# KiCad board controller.kicad_pcb
title: ORCA Control Board; date: 2022-03-16; rev: V1.2; company: Luke Waller
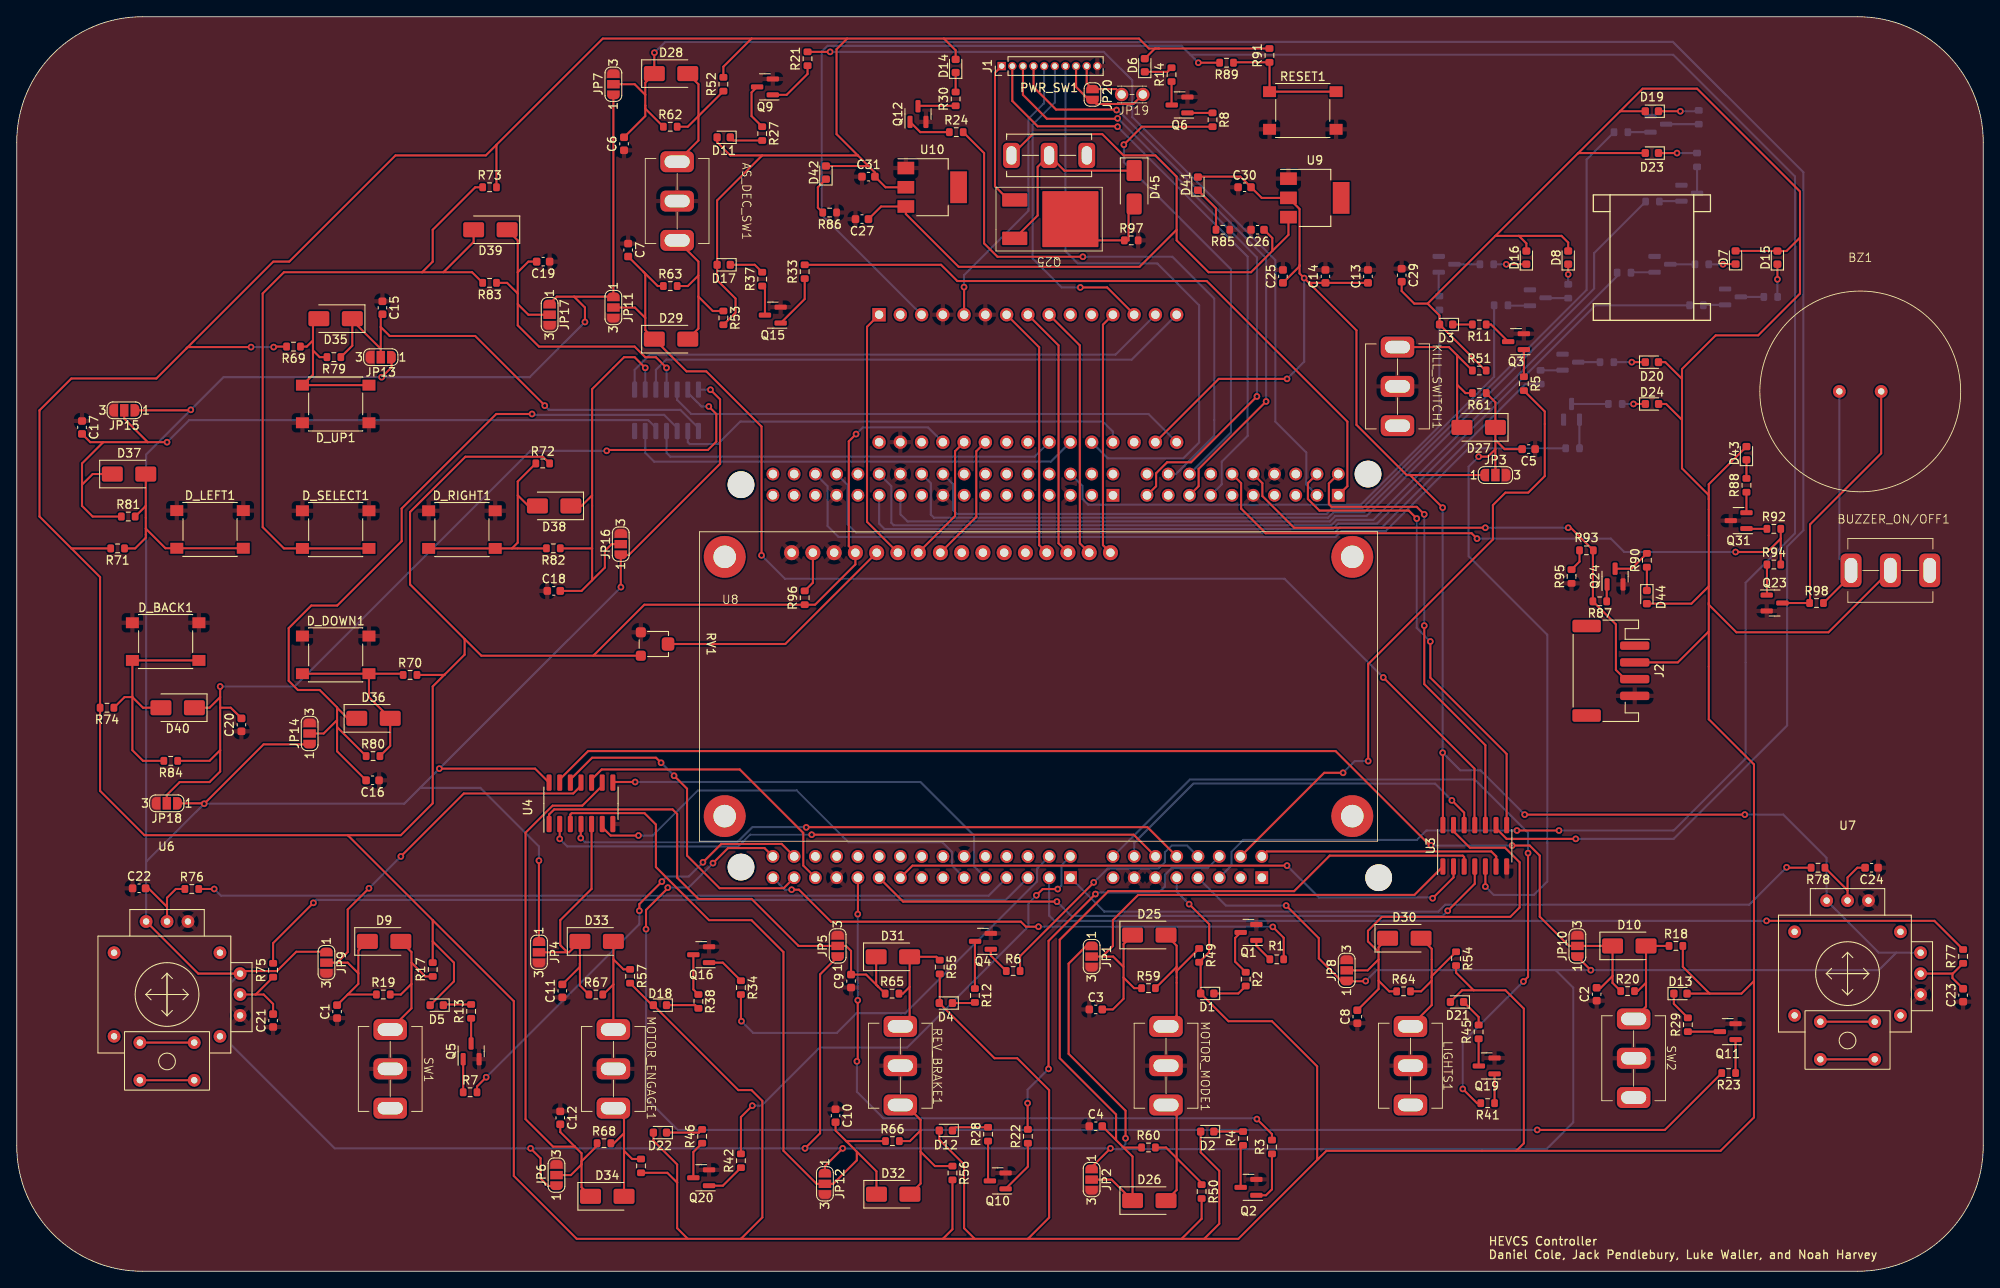
[diagram p0: board, top side]
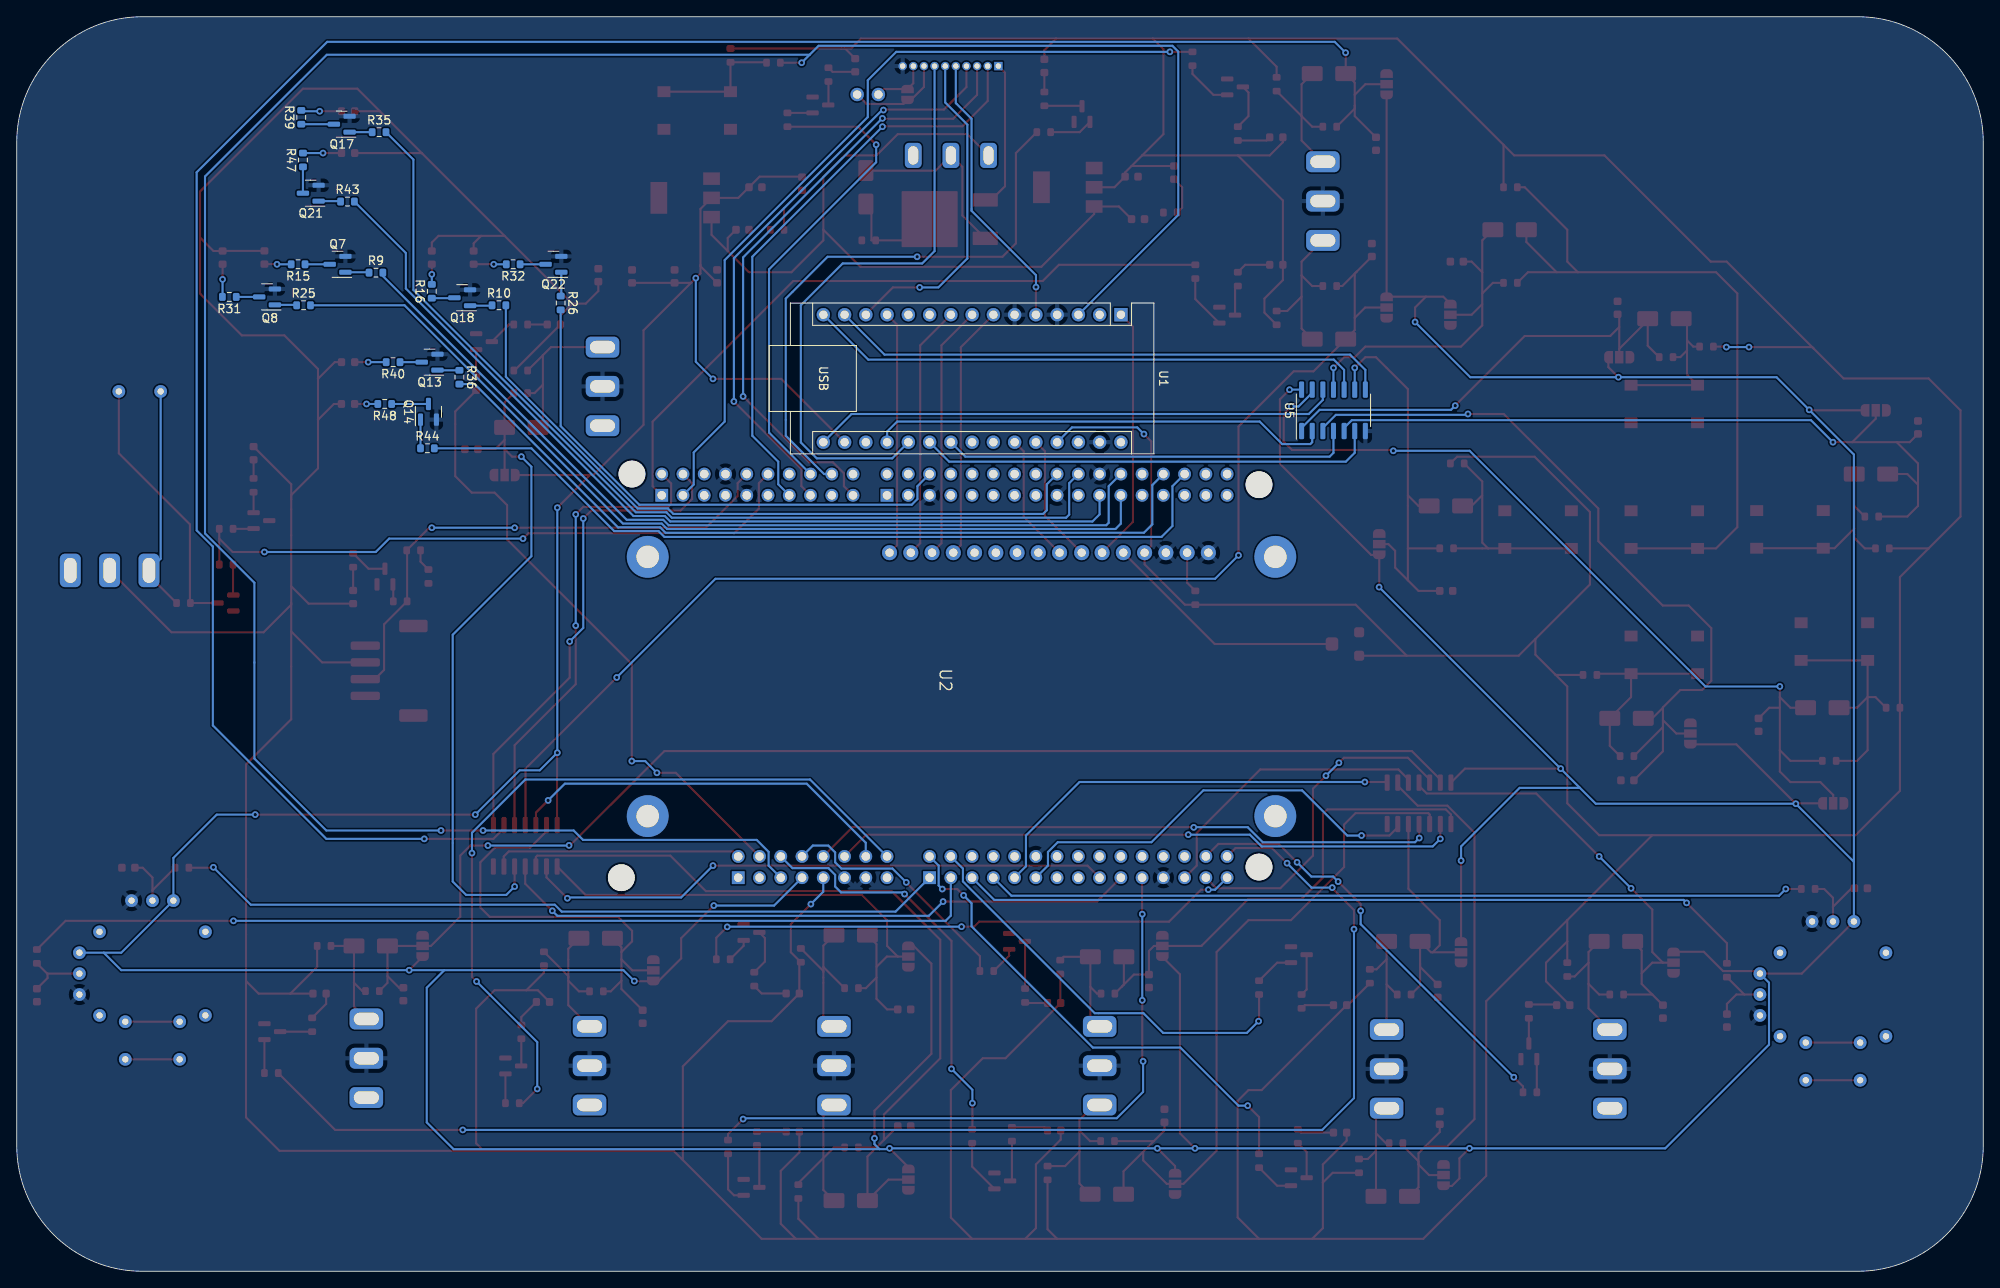
[diagram p1: board, bottom side, seen from below]

Outline 235 x 150 mm; copper layers: Top, Bottom. Coordinates in mm from the lower left corner of the outline.
Outline path: 0,135 arc(4.39,145.61) 15,150 220,150 arc(230.61,145.61) 235,135 235,15 arc(230.61,4.39) 220,0 15,0 arc(4.39,4.39) 0,15 0,135
Stack: Top 0.035mm / dielectric 1.51mm FR4 er 4.5 / Bottom 0.035mm

## Placement (name value [footprint] x y rotation side)
AS_DEC_SW1  SW_SPDT_MSM  [1Ms1T1B1M1QE]  78.92 127.96 270 top
BUZZER_ON/OFF1  SW_SPDT  [1Ms1T1B1M1QE]  223.9 83.8 0 top
BZ1  Buzzer  [SD1209T5-A1]  220.3 105.2 0 top
C1  100nF  [C_0603_1608Metric]  38.28 31.04 90 top
C2  100nF  [C_0603_1608Metric]  188.8 33.12 90 top
C3  100nF  [C_0603_1608Metric]  128.94 31.31 0 top
C4  100nF  [C_0603_1608Metric]  128.94 17.34 0 top
C5  100nF  [C_0603_1608Metric]  180.68 98.3 180 top
C6  100nF  [C_0603_1608Metric]  72.57 134.81 90 top
C7  100nF  [C_0603_1608Metric]  73.06 122.1 270 top
C8  100nF  [C_0603_1608Metric]  160.2 30.44 90 top
C9  100nF  [C_0603_1608Metric]  99.7 34.7 90 top
C10  100nF  [C_0603_1608Metric]  97.85 18.6 270 top
C11  100nF  [C_0603_1608Metric]  65.2 33.53 90 top
C12  100nF  [C_0603_1608Metric]  64.95 18.34 270 top
C13  100nF  [C_0603_1608Metric]  161.47 118.95 90 top
C14  100nF  [C_0603_1608Metric]  156.39 118.95 90 top
C15  100nF  [C_0603_1608Metric]  43.7 115.2 270 top
C16  100nF  [C_0603_1608Metric]  42.53 58.7 180 top
C17  100nF  [C_0603_1608Metric]  7.8 100.89 270 top
C18  100nF  [C_0603_1608Metric]  64.17 81.35 0 top
C19  100nF  [C_0603_1608Metric]  62.91 120.72 180 top
C20  100nF  [C_0603_1608Metric]  26.85 65.33 90 top
C21  100nF  [C_0603_1608Metric]  30.63 29.97 90 top
C22  100nF  [C_0603_1608Metric]  14.62 45.79 0 top
C23  100nF  [C_0603_1608Metric]  232.59 33.01 90 top
C24  100nF  [C_0603_1608Metric]  221.66 48.25 180 top
C25  100nF  [C_0603_1608Metric]  151.31 118.95 90 top
C26  100nF  [C_0603_1608Metric]  148.28 124.53 180 top
C27  100nF  [C_0603_1608Metric]  101 125.8 180 top
C29  100nF  [C_0603_1608Metric]  165.5 119.1 270 top
C30  100nF  [C_0603_1608Metric]  146.72 129.61 0 top
C31  100nF  [C_0603_1608Metric]  101.78 130.88 0 top
D1  BLUE  [LED_0603_1608Metric]  142.27 33.22 180 top
D2  GREEN  [LED_0603_1608Metric]  142.27 16.71 180 top
D3  RED  [LED_0603_1608Metric]  170.81 113.2 180 top
D4  RED  [LED_0603_1608Metric]  111.03 32.07 180 top
D5  WHITE  [LED_0603_1608Metric]  50.19 31.82 180 top
D6  GREEN  [LED_0603_1608Metric]  134.8 144.2 90 top
D7  RED  [LED_0603_1608Metric]  205.4 121.21 90 top
D8  RED  [LED_0603_1608Metric]  185.4 121.2 90 top
D9  D  [D_SMA]  43.9 39.44 0 top
D10  D  [D_SMA]  192.7 38.9 0 top
D11  BLUE  [LED_0603_1608Metric]  84.48 135.58 180 top
D12  WHITE  [LED_0603_1608Metric]  111.03 16.83 180 top
D13  WHITE  [LED_0603_1608Metric]  198.81 33.2 0 top
D14  RED  [LED_0603_1608Metric]  112.2 144.11 90 top
D15  RED  [LED_0603_1608Metric]  210.4 121.2 90 top
D16  RED  [LED_0603_1608Metric]  180.4 121.2 90 top
D17  RED  [LED_0603_1608Metric]  84.48 120.34 180 top
D18  GREEN  [LED_0603_1608Metric]  76.86 31.82 180 top
D19  RED  [LED_0603_1608Metric]  195.4 138.7 180 top
D20  RED  [LED_0603_1608Metric]  195.4 108.7 0 top
D21  BLUE  [LED_0603_1608Metric]  172.11 32.2 180 top
D22  RED  [LED_0603_1608Metric]  76.86 16.58 180 top
D23  RED  [LED_0603_1608Metric]  195.4 133.7 180 top
D24  RED  [LED_0603_1608Metric]  195.41 103.7 0 top
D25  D  [D_SMA]  135.34 40.2 0 top
D26  D  [D_SMA]  135.34 8.45 0 top
D27  D  [D_SMA]  174.7 100.9 180 top
D28  D  [D_SMA]  78.19 143.2 0 top
D29  D  [D_SMA]  78.19 111.45 0 top
D30  D  [D_SMA]  165.82 39.82 0 top
D31  D  [D_SMA]  104.7 37.6 0 top
D32  D  [D_SMA]  104.74 9.21 0 top
D33  D  [D_SMA]  69.3 39.44 0 top
D34  D  [D_SMA]  70.57 8.96 0 top
D35  D  [D_SMA]  38.1 113.9 180 top
D36  D  [D_SMA]  42.63 66.11 0 top
D37  D  [D_SMA]  13.42 95.32 0 top
D38  D  [D_SMA]  64.22 91.51 180 top
D39  D  [D_SMA]  56.6 124.53 180 top
D40  D  [D_SMA]  19.23 67.38 180 top
D41  YELLOW  [LED_0603_1608Metric]  141.15 130.04 90 top
D42  BLUE  [LED_0603_1608Metric]  96.7 131.36 90 top
D43  GREEN  [LED_0603_1608Metric]  206.7 97.81 90 top
D44  BLUE  [LED_0603_1608Metric]  194.8 80.61 270 top
D45  D  [D_SMA]  133.53 129.61 270 top
D_BACK1  SW_SPST  [SW_Push_1P1T_NO_6x6mm_H9.5mm]  17.8 75.29 0 top
D_DOWN1  SW_SPST  [SW_Push_1P1T_NO_6x6mm_H9.5mm]  38.12 73.7 0 top
D_LEFT1  SW_SPST  [SW_Push_1P1T_NO_6x6mm_H9.5mm]  23.1 88.7 0 top
D_RIGHT1  SW_SPST  [SW_Push_1P1T_NO_6x6mm_H9.5mm]  53.2 88.68 0 top
D_SELECT1  SW_SPST  [SW_Push_1P1T_NO_6x6mm_H9.5mm]  38.12 88.68 0 top
D_UP1  SW_SPST  [SW_Push_1P1T_NO_6x6mm_H9.5mm]  38.12 103.7 180 top
J1  Conn_01x10  [PinHeader_1x10_P1.27mm_Vertical]  117.7 144.1 90 top
J2  Conn_01x04  [JST_PH_S4B-PH-SM4-TB_1x04-1MP_P2.00mm_Horizontal]  190.5 71.8 270 top
JP1  SolderJumper_3_Open  [SolderJumper-3_P1.3mm_Open_RoundedPad1.0x1.5mm_NumberLabels]  128.45 37.63 270 top
JP2  SolderJumper_3_Open  [SolderJumper-3_P1.3mm_Open_RoundedPad1.0x1.5mm_NumberLabels]  128.45 10.96 270 top
JP3  SolderJumper_3_Open  [SolderJumper-3_P1.3mm_Open_RoundedPad1.0x1.5mm_NumberLabels]  176.7 95.2 0 top
JP4  SolderJumper_3_Open  [SolderJumper-3_P1.3mm_Open_RoundedPad1.0x1.5mm_NumberLabels]  62.41 38.14 270 top
JP5  SolderJumper_3_Open  [SolderJumper-3_P1.3mm_Open_RoundedPad1.0x1.5mm_NumberLabels]  98.1 38.9 90 top
JP6  SolderJumper_3_Open  [SolderJumper-3_P1.3mm_Open_RoundedPad1.0x1.5mm_NumberLabels]  64.5 11.5 90 top
JP7  SolderJumper_3_Open  [SolderJumper-3_P1.3mm_Open_RoundedPad1.0x1.5mm_NumberLabels]  71.3 141.93 90 top
JP8  SolderJumper_3_Open  [SolderJumper-3_P1.3mm_Open_RoundedPad1.0x1.5mm_NumberLabels]  158.93 35.98 90 top
JP9  SolderJumper_3_Open  [SolderJumper-3_P1.3mm_Open_RoundedPad1.0x1.5mm_NumberLabels]  37.01 36.9 270 top
JP10  SolderJumper_3_Open  [SolderJumper-3_P1.3mm_Open_RoundedPad1.0x1.5mm_NumberLabels]  186.5 38.9 90 top
JP11  SolderJumper_3_Open  [SolderJumper-3_P1.3mm_Open_RoundedPad1.0x1.5mm_NumberLabels]  71.3 115.23 270 top
JP12  SolderJumper_3_Open  [SolderJumper-3_P1.3mm_Open_RoundedPad1.0x1.5mm_NumberLabels]  96.58 10.45 270 top
JP13  SolderJumper_3_Open  [SolderJumper-3_P1.3mm_Open_RoundedPad1.0x1.5mm_NumberLabels]  43.5 109.29 180 top
JP14  SolderJumper_3_Open  [SolderJumper-3_P1.3mm_Open_RoundedPad1.0x1.5mm_NumberLabels]  35 64.3 90 top
JP15  SolderJumper_3_Open  [SolderJumper-3_P1.3mm_Open_RoundedPad1.0x1.5mm_NumberLabels]  12.85 102.94 180 top
JP16  SolderJumper_3_Open  [SolderJumper-3_P1.3mm_Open_RoundedPad1.0x1.5mm_NumberLabels]  72.18 86.94 90 top
JP17  SolderJumper_3_Open  [SolderJumper-3_P1.3mm_Open_RoundedPad1.0x1.5mm_NumberLabels]  63.68 114.37 270 top
JP18  SolderJumper_3_Open  [SolderJumper-3_P1.3mm_Open_RoundedPad1.0x1.5mm_NumberLabels]  17.93 55.95 180 top
JP19  Jumper_2_Open  [Jumper]  132.03 140.7 0 top
JP20  SolderJumper_2_Open  [SolderJumper-2_P1.3mm_Open_RoundedPad1.0x1.5mm]  128.55 140.7 270 top
KILL_SWITCH1  SW_SPDT  [1Ms1T1B1M1QE]  165 105.8 270 top
LIGHTS1  SW_SPDT  [1Ms1T1B1M1QE]  166.55 24.58 270 top
MOTOR_ENGAGE1  SW_SPDT  [1Ms1T1B1M1QE]  71.3 24.2 270 top
MOTOR_MODE1  SW_SPDT  [1Ms1T1B1M1QE]  137.34 24.58 270 top
PWR_SW1  SW_SPDT  [KNX-1-D1]  123.37 133.42 0 top
Q1  BC817  [SOT-23]  147.2 40.52 180 top
Q2  BC817  [SOT-23]  147.2 10.03 180 top
Q3  BC817  [SOT-23]  179.16 111.15 180 top
Q4  BC817  [SOT-23]  115.46 39.45 180 top
Q5  BC817  [SOT-23]  54.3 26.3 90 top
Q6  BC817  [SOT-23]  138.96 139.45 180 top
Q7  BC817  [SOT-23]  196.66 120.4 0 bottom
Q8  BC817  [SOT-23]  205.09 116.5 0 bottom
Q9  BC817  [SOT-23]  89.41 141.61 180 top
Q10  BC817  [SOT-23]  117.23 10.8 180 top
Q11  BC817  [SOT-23]  204.46 28.65 180 top
Q12  BC817  [SOT-23]  107.7 138.36 90 top
Q13  BC817  [SOT-23]  185.66 108.7 0 bottom
Q14  BC817  [SOT-23]  185.8 102.76 90 bottom
Q15  BC817  [SOT-23]  90.35 114.32 180 top
Q16  BC817  [SOT-23]  81.79 37.85 180 top
Q17  BC817  [SOT-23]  196.16 137.15 0 bottom
Q18  BC817  [SOT-23]  181.76 116.4 0 bottom
Q19  BC817  [SOT-23]  175.66 24.55 180 top
Q20  BC817  [SOT-23]  81.79 11.18 180 top
Q21  BC817  [SOT-23]  199.86 128.9 0 bottom
Q22  BC817  [SOT-23]  170.86 120.4 0 bottom
Q23  BC817  [SOT-23]  210.06 79.9 0 top
Q24  BC817  [SOT-23]  191 83.06 90 top
Q25  IRFR9014PBF  [STD20NF06L]  125.91 125.8 180 top
Q31  BC817  [SOT-23]  205.76 89.75 180 top
R1  4K7  [R_0603_1608Metric]  150.57 37.3 0 top
R2  1K  [R_0603_1608Metric]  146.87 34.93 270 top
R3  4K7  [R_0603_1608Metric]  150 14.87 90 top
R4  2K2  [R_0603_1608Metric]  146.54 15.88 90 top
R5  4K7  [R_0603_1608Metric]  180.1 106.12 270 top
R6  4K7  [R_0603_1608Metric]  119.07 35.9 0 top
R7  4K7  [R_0603_1608Metric]  54.17 21.4 0 top
R8  4K7  [R_0603_1608Metric]  142.9 137.68 270 top
R9  4K7  [R_0603_1608Metric]  192.07 119.4 180 bottom
R10  4K7  [R_0603_1608Metric]  177.38 115.5 180 bottom
R11  150R  [R_0603_1608Metric]  174.78 113.2 180 top
R12  150R  [R_0603_1608Metric]  114.5 32.97 270 top
R13  390R  [R_0603_1608Metric]  54.3 31.07 90 top
R14  2K2  [R_0603_1608Metric]  138 143.07 90 top
R15  150R  [R_0603_1608Metric]  201.38 120.4 0 bottom
R16  150R  [R_0603_1608Metric]  185.4 117.17 90 bottom
R17  47K  [R_0603_1608Metric]  49.71 36.07 90 top
R18  47K  [R_0603_1608Metric]  198.28 38.9 0 top
R19  47K  [R_0603_1608Metric]  43.81 33.09 0 top
R20  47K  [R_0603_1608Metric]  192.5 33.5 0 top
R21  4K7  [R_0603_1608Metric]  94.5 144.97 90 top
R22  4K7  [R_0603_1608Metric]  120.83 16.13 90 top
R23  4K7  [R_0603_1608Metric]  204.57 23.7 180 top
R24  4K7  [R_0603_1608Metric]  112.28 136.2 0 top
R25  4K7  [R_0603_1608Metric]  200.72 115.5 180 bottom
R26  4K7  [R_0603_1608Metric]  170 115.78 270 bottom
R27  1K  [R_0603_1608Metric]  89.08 136.03 270 top
R28  390R  [R_0603_1608Metric]  116.07 16.39 90 top
R29  390R  [R_0603_1608Metric]  199.7 29.47 90 top
R30  150R  [R_0603_1608Metric]  112.2 140.18 90 top
R31  150R  [R_0603_1608Metric]  209.6 116.5 0 bottom
R32  150R  [R_0603_1608Metric]  175.68 120.4 0 bottom
R33  4K7  [R_0603_1608Metric]  94.16 119.52 90 top
R34  4K7  [R_0603_1608Metric]  86.54 33.91 270 top
R35  4K7  [R_0603_1608Metric]  191.7 136.2 180 bottom
R36  4K7  [R_0603_1608Metric]  182.1 106.9 270 bottom
R37  150R  [R_0603_1608Metric]  89.08 118.62 90 top
R38  2K2  [R_0603_1608Metric]  81.46 32.26 270 top
R39  150R  [R_0603_1608Metric]  201 137.97 90 bottom
R40  150R  [R_0603_1608Metric]  190.03 108.7 0 bottom
R41  4K7  [R_0603_1608Metric]  175.78 20.1 180 top
R42  4K7  [R_0603_1608Metric]  86.54 13.22 90 top
R43  4K7  [R_0603_1608Metric]  195.47 127.9 180 bottom
R44  4K7  [R_0603_1608Metric]  185.93 98.4 180 bottom
R45  1K  [R_0603_1608Metric]  174.7 28.62 90 top
R46  150R  [R_0603_1608Metric]  81.91 16.13 90 top
R47  150R  [R_0603_1608Metric]  200.8 132.88 90 bottom
R48  150R  [R_0603_1608Metric]  191.03 103.7 0 bottom
R49  47K  [R_0603_1608Metric]  141.3 37.78 270 top
R50  47K  [R_0603_1608Metric]  141.59 9.53 270 top
R51  47K  [R_0603_1608Metric]  174.78 107.7 0 top
R52  47K  [R_0603_1608Metric]  84.44 141.93 90 top
R53  47K  [R_0603_1608Metric]  84.44 113.99 270 top
R54  47K  [R_0603_1608Metric]  172 37.38 270 top
R55  47K  [R_0603_1608Metric]  110.3 36.38 270 top
R56  47K  [R_0603_1608Metric]  111.82 11.75 270 top
R57  47K  [R_0603_1608Metric]  73.3 35.28 270 top
R58  47K  [R_0603_1608Metric]  74.6 12.6 270 top
R59  47K  [R_0603_1608Metric]  135.25 33.85 0 top
R60  47K  [R_0603_1608Metric]  135.25 14.8 0 top
R61  47K  [R_0603_1608Metric]  174.78 105 180 top
R62  47K  [R_0603_1608Metric]  78.09 136.85 0 top
R63  47K  [R_0603_1608Metric]  78.09 117.8 0 top
R64  47K  [R_0603_1608Metric]  165.72 33.47 0 top
R65  47K  [R_0603_1608Metric]  104.6 33.2 0 top
R66  47K  [R_0603_1608Metric]  104.64 15.56 0 top
R67  47K  [R_0603_1608Metric]  69.2 33.09 0 top
R68  47K  [R_0603_1608Metric]  70.17 15.31 0 top
R69  47K  [R_0603_1608Metric]  33.08 110.56 180 top
R70  47K  [R_0603_1608Metric]  47 71.3 0 top
R71  47K  [R_0603_1608Metric]  12.05 86.43 180 top
R72  47K  [R_0603_1608Metric]  62.86 96.59 0 top
R73  47K  [R_0603_1608Metric]  56.5 129.61 0 top
R74  47K  [R_0603_1608Metric]  10.78 67.38 180 top
R75  620R  [R_0603_1608Metric]  30.63 36 90 top
R76  620R  [R_0603_1608Metric]  20.92 45.71 0 top
R77  620R  [R_0603_1608Metric]  232.59 37.64 90 top
R78  620R  [R_0603_1608Metric]  215.25 48.25 180 top
R79  47K  [R_0603_1608Metric]  37.9 109.3 180 top
R80  47K  [R_0603_1608Metric]  42.58 61.6 0 top
R81  47K  [R_0603_1608Metric]  13.33 90.24 0 top
R82  47K  [R_0603_1608Metric]  64.12 86.44 180 top
R83  47K  [R_0603_1608Metric]  56.5 118.18 180 top
R84  47K  [R_0603_1608Metric]  18.41 61.03 180 top
R85  2K2  [R_0603_1608Metric]  144.13 124.53 180 top
R86  1K  [R_0603_1608Metric]  97.14 126.59 180 top
R87  4K7  [R_0603_1608Metric]  189.18 80.1 180 top
R88  2K2  [R_0603_1608Metric]  206.7 93.97 90 top
R89  2K2  [R_0603_1608Metric]  144.57 144.5 180 top
R90  1K  [R_0603_1608Metric]  194.8 85.01 270 top
R91  10K  [R_0603_1608Metric]  149.7 145.38 90 top
R92  4K7  [R_0603_1608Metric]  209.97 88.77 180 top
R93  1K  [R_0603_1608Metric]  187.57 86.2 180 top
R94  4K7  [R_0603_1608Metric]  209.97 84.5 0 top
R95  100K  [R_0603_1608Metric]  185.8 83.08 270 top
R96  220R  [R_0603_1608Metric]  94.16 80.53 90 top
R97  100R  [R_0603_1608Metric]  133.19 123.26 0 top
R98  10K  [R_0603_1608Metric]  215.07 79.9 0 top
RESET1  SW_SPST  [SW_Push_1P1T_NO_6x6mm_H9.5mm]  153.69 138.79 0 top
REV_BRAKE1  SW_SPDT  [1Ms1T1B1M1QE]  105.59 24.58 270 top
RV1  20K  [Variable_Resistor]  76.38 75 270 top
SW1  SW_SPDT  [1Ms1T1B1M1QE]  44.63 24.2 270 top
SW2  SW_SPDT  [1Ms1T1B1M1QE]  193.22 25.47 270 top
U1  NUCLEO-L432KC  [Arduino_Nano]  103.05 114.37 270 bottom
U2  NUCLEO144-F429ZI  [MODULE_NUCLEO-F429ZI_JUST_PINS]  124.01 71.19 90 bottom
U3  74HC14  [SO-14_3.9x8.65mm_P1.27mm]  174.24 50.87 90 top
U4  74HC14  [SO-14_3.9x8.65mm_P1.27mm]  67.42 55.95 90 top
U5  74HC14  [SO-14_3.9x8.65mm_P1.27mm]  77.65 102.94 90 bottom
U6  -  [Joystick]  17.96 33.09 0 top
U7  -  [Joystick]  218.78 35.59 0 top
U8  HY1602E  [LCD_Display_WH1602B-NYG-JT]  84.6 85.42 0 top
U9  ZSR330GTA  [SOT-223]  155.12 128.34 0 top
U10  ZLDO1117G50TA  [SOT-223]  109.4 129.61 0 top

## Library data of the parts
AS_DEC_SW1 = -: Description: Switch, single pole double throw, center OFF position
BUZZER_ON/OFF1 KILL_SWITCH1 LIGHTS1 MOTOR_ENGAGE1 MOTOR_MODE1 PWR_SW1 REV_BRAKE1 SW1 SW2 = -: Description: Switch, single pole double throw
BZ1 = -: Description: Buzzer, polarized
C1-C27 C29-C31 = -: Description: Unpolarized capacitor
D1-D8 D11-D24 D41-D44 = -: Description: Light emitting diode
D9 D10 D25-D40 D45 = -: Description: Diode
D_BACK1 D_DOWN1 D_LEFT1 D_RIGHT1 D_SELECT1 D_UP1 RESET1 = -: Description: Single Pole Single Throw (SPST) switch
J1 = -: Description: Generic connector, single row, 01x10, script generated (kicad-library-utils/schlib/autogen/connector/)
J2 = -: Description: Generic connector, single row, 01x04, script generated (kicad-library-utils/schlib/autogen/connector/)
JP1-JP18 = -: Description: Solder Jumper, 3-pole, open
JP19 = -: Description: Jumper, 2-pole, open
JP20 = -: Description: Solder Jumper, 2-pole, open
Q1-Q24 Q31 = -: Description: 0.8A Ic, 45V Vce, NPN Transistor, SOT-23
Q25 = -: Description: P-MOSFET transistor, drain/gate/source
R1-R98 = -: Description: Resistor
RV1 = -: Description: Potentiometer
U1 = -: Description: Arduino Nano v2.x
U2 = -: Description: Nucleo 144 Development Board with STM32F429ZIT6 MCU, 256kB RAM, 1Mb FLASH
U3-U5 = -: Description: Hex inverter schmitt trigger
U8 = -: Description: LCD 16x2 Alphanumeric 16pin Blue/Yellow/Green Backlight, 8bit parallel, 5V VDD
U9 U10 = -: Description: 800mA Low-Dropout Linear Regulator, 5.0V fixed output, TO-220/TO-252/TO-263/SOT-223

## Footprints (pads in the part's own frame, mm; a bottom-side part is the same pattern mirrored in y, then rotated)
1Ms1T1B1M1QE
  rrect 2.5x4 hole 1.5x3: 1(-4.7,0) 2(0,0) 3(4.7,0)
Arduino_Nano
  rect 1.6x1.6 hole 1: 1(0,0)
  oval 1.6x1.6 hole 1: 2(0,-2.54) 3(0,-5.08) 4(0,-7.62) 5(0,-10.16) 6(0,-12.7) 7(0,-15.24) 8(0,-17.78) 9(0,-20.32) 10(0,-22.86) 11(0,-25.4) 12(0,-27.94) 13(0,-30.48) 14(0,-33.02) 15(0,-35.56) 16(15.24,-35.56) 17(15.24,-33.02) 18(15.24,-30.48) 19(15.24,-27.94) 20(15.24,-25.4) 21(15.24,-22.86) 22(15.24,-20.32) 23(15.24,-17.78) 24(15.24,-15.24) 25(15.24,-12.7) 26(15.24,-10.16) 27(15.24,-7.62) 28(15.24,-5.08) 29(15.24,-2.54) 30(15.24,0)
C_0603_1608Metric
  rrect 0.9x0.95 smd: 1(-0.775,0) 2(0.775,0)
D_SMA
  rrect 2.5x1.8 smd: 1(-2,0) 2(2,0)
Joystick
  round 1.524 hole 0.762: Earth(-6.325,5) Earth(-6.325,-5) Earth(6.325,5) Earth(6.325,-5) SW1(-3.25,-5.75) SW1(3.25,-5.75) SW2(-3.25,-10.25) SW2(3.25,-10.25) X1(-2.5,8.73) X2(0,8.73) X3(2.5,8.73) Y1(8.73,2.5) Y2(8.73,0) Y3(8.73,-2.5)
JST_PH_S4B-PH-SM4-TB_1x04-1MP_P2.00mm_Horizontal
  rrect 1x3.5 smd: 1(-3,2.85) 2(-1,2.85) 3(1,2.85) 4(3,2.85)
  rrect 1.5x3.4 smd: MP(-5.35,-2.9) MP(5.35,-2.9)
Jumper
  round 1.6 hole 1: 1(0,0) 2(2.54,0)
KNX-1-D1
  rrect 2x3 hole 1.2x2.2: 1(-4.5,0) 2(0,0) 3(4.5,0)
LCD_Display_WH1602B-NYG-JT
  round 5 hole 2.7 unplated: (0,0) (0,-31) (75,0) (75,-31)
  round 1.8 hole 1: 1(8,0.5) 2(10.54,0.5) 3(13.08,0.5) 4(15.62,0.5) 5(18.16,0.5) 6(20.7,0.5) 7(23.14,0.5) 8(25.78,0.5) 9(28.32,0.5) 10(30.86,0.5) 11(33.4,0.5) 12(35.94,0.5) 13(38.48,0.5) 14(41.02,0.5) 15(43.56,0.5) 16(46.1,0.5)
LED_0603_1608Metric
  rrect 0.875x0.95 smd: 1(-0.787,0) 2(0.787,0)
MODULE_NUCLEO-F429ZI_JUST_PINS
  round 3.2 hole 3.2 unplated: (-24.13,38.74) (-22.86,-37.46) (22.86,-37.46) (24.13,37.47)
  round 1.53 hole 1.02: 1(-21.59,19.69) 2(-21.59,17.15) 3(-21.59,14.61) 4(-21.59,12.07) 8(-24.13,-26.03) 11(-21.59,-28.57) 12(-24.13,22.23) 14(-24.13,19.69) 16(-24.13,17.15) 17(21.59,23.754) 18(-24.13,14.61) 19(-24.13,12.07) 20(-24.13,9.53) 24(-24.13,6.99) 28(21.59,-28.57) 29(-24.13,-23.49) 31(-24.13,-20.95) 32(21.59,13.594) 34(21.59,-31.11) 35(21.59,-3.17) 37(-24.13,-3.17) 38(-24.13,-0.63) 39(-21.59,-5.71) 40(-21.59,-8.25) 41(-21.59,-3.17) 42(-21.59,9.53) 43(-21.59,-0.63) 44(-21.59,6.99) 45(-21.59,1.91) 46(-21.59,-13.33) 46(21.59,-23.49) 47(-21.59,-23.49) 48(-21.59,-15.87) 49(-21.59,-10.79) 50(-21.59,-18.41) 52(-24.13,-18.41) 54(-21.59,-26.03) 55(-24.13,-31.11) 56(-21.59,-31.11) 57(-24.13,-28.57) 58(-21.59,-33.65) 59(-24.13,-33.65) 60(24.13,26.294) 62(-21.59,-20.95) 63(24.13,-10.79) 73(-21.59,22.23) 74(-21.59,24.77) 75(24.13,33.914) 77(24.13,31.374) 79(24.13,28.834) 81(21.59,-26.03) 83(24.13,23.754) 85(24.13,21.214) 87(-24.13,-15.87) 87(24.13,18.674) 88(21.59,26.294) 89(21.59,-8.25) 90(24.13,-33.65) 91(21.59,21.214) 92(24.13,-18.41) 94(21.59,-10.79) 96(21.59,-0.63) 97(24.13,-31.11) 98(21.59,31.374) 99(21.59,11.054) 101(21.59,18.674) 102(21.59,28.834) 103(21.59,16.134) 104(21.59,4.45) 108(-24.13,-8.25) 110(21.59,-5.71) 111(21.59,1.91) 112(24.13,-13.33) 113(21.59,-15.87) 114(-24.13,-10.79) 115(21.59,-18.41) 116(24.13,-15.87) 117(21.59,-20.95) 118(24.13,16.134) 119(24.13,-20.95) 120(24.13,13.594) 121(24.13,-23.49) 122(24.13,-0.63) 123(24.13,-26.03) 124(24.13,4.45) 125(24.13,-28.57) 127(24.13,-3.17) 128(24.13,1.91) 129(24.13,6.99) 130(-24.13,-5.71) 131(24.13,11.054) 132(24.13,-5.71) 133(24.13,-8.25) 136(21.59,-33.65) 144(21.59,-13.33) NC(-24.13,-13.33)
  rect 1.53x1.53 hole 1.02: 76(21.59,33.914) 79(21.59,6.99) 109(-24.13,1.91) NC(-24.13,24.77)
PinHeader_1x10_P1.27mm_Vertical
  rect 1x1 hole 0.65: 1(0,0)
  oval 1x1 hole 0.65: 2(0,-1.27) 3(0,-2.54) 4(0,-3.81) 5(0,-5.08) 6(0,-6.35) 7(0,-7.62) 8(0,-8.89) 9(0,-10.16) 10(0,-11.43)
R_0603_1608Metric
  rrect 0.8x0.95 smd: 1(-0.825,0) 2(0.825,0)
SD1209T5-A1
  round 1.524 hole 0.762: 1(-2.5,0) 2(2.5,0)
SO-14_3.9x8.65mm_P1.27mm
  rrect 1.95x0.6 smd: 1(-2.475,3.81) 2(-2.475,2.54) 3(-2.475,1.27) 4(-2.475,0) 5(-2.475,-1.27) 6(-2.475,-2.54) 7(-2.475,-3.81) 8(2.475,-3.81) 9(2.475,-2.54) 10(2.475,-1.27) 11(2.475,0) 12(2.475,1.27) 13(2.475,2.54) 14(2.475,3.81)
SolderJumper-2_P1.3mm_Open_RoundedPad1.0x1.5mm
  custom 1x1.5 smd: 1(-0.65,0) 2(0.65,0)
SolderJumper-3_P1.3mm_Open_RoundedPad1.0x1.5mm_NumberLabels
  custom 1.05x1.5 smd: 1(-1.3,0) 3(1.3,0)
  rect 1x1.5 smd: 2(0,0)
SOT-23
  rrect 1.475x0.6 smd: 1(-0.938,0.95) 2(-0.938,-0.95) 3(0.938,0)
SOT-223
  rect 2x1.5 smd: 1(-3.15,2.3) 2(-3.15,0) 3(-3.15,-2.3)
  rect 2x3.8 smd: 4(3.15,0)
STD20NF06L
  rrect 3x1.6 smd: 1(6.65,-2.3) 3(6.65,2.3)
  rrect 6.7x6.7 smd: 2(0,0)
SW_Push_1P1T_NO_6x6mm_H9.5mm
  rect 1.55x1.3 smd: 1(-3.975,2.25) 1(3.975,2.25) 2(-3.975,-2.25) 2(3.975,-2.25)